# Altium PCB controller_V1.0.PcbDoc (part 7 of 8)
Units mm, origin at the board's own origin, x right, y up, seen from the top; angles counter-clockwise.
Board outline 284.13 x 175.13 mm, 4 copper layers (Top Layer, GND, VCC, Bottom Layer); 496 components, 415 nets, 1682 pads, 750 vias.
Unrouted connection lines stored in the file: 5.
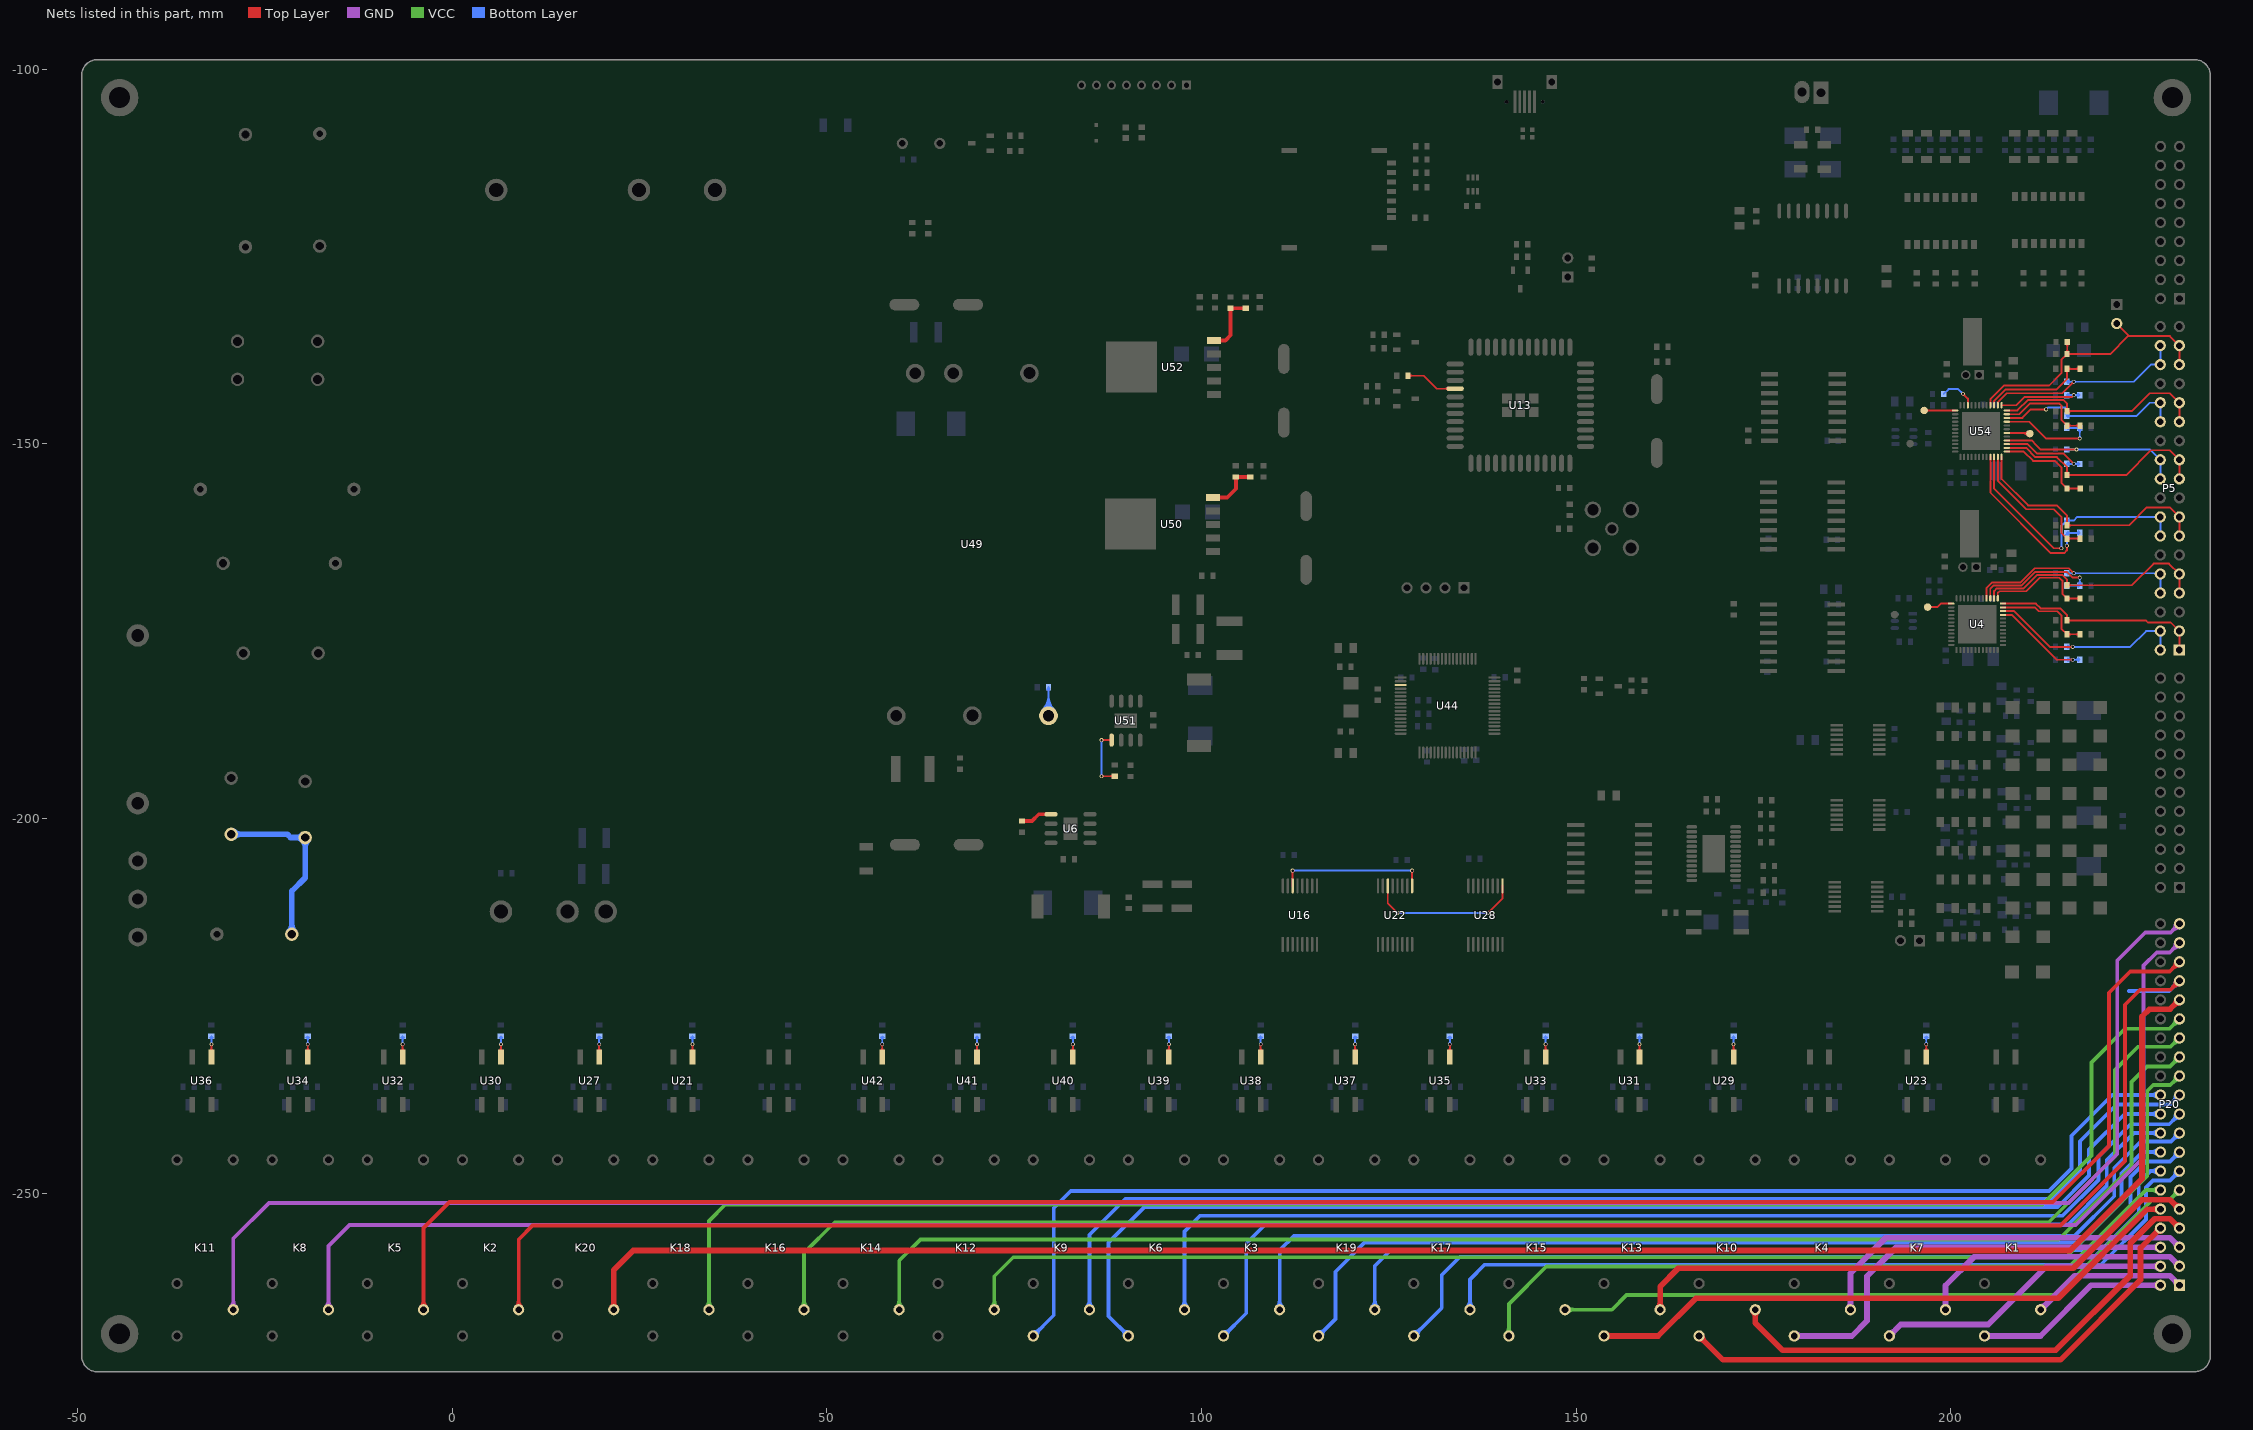
[diagram p9: the nets of this part, all layers, seen from the top]

## Via types
v1: diameter 0.508, hole 0.305, Top Layer to Bottom Layer, tented both sides, 596 vias
v2: diameter 1.016, hole 0.635, Top Layer to Bottom Layer, tented both sides, 65 vias
v3: diameter 0.6, hole 0.3, Top Layer to Bottom Layer, 50 vias
v4: diameter 0.762, hole 0.508, Top Layer to Bottom Layer, tented both sides, 29 vias
v5: diameter 2.032, hole 1.524, Top Layer to Bottom Layer, tented both sides, 4 vias
v6: diameter 3.048, hole 2.032, Top Layer to Bottom Layer, tented both sides, 3 vias
v7: diameter 1.5, hole 1, Top Layer to Bottom Layer, 2 vias
v8: diameter 2.54, hole 1.778, Top Layer to Bottom Layer, tented both sides, 1 vias

## Nets (pads, with @x,y where several pads share a name; then routed paths per layer and width w, separated by ;. In a path a pad name is that pad's centre, name@x,y a point inside that pad or via, vN(x,y) a via of type N, cw(c..) or ccw(c..) an arc to the next point about the centre after c; other vN are vias at no path point) (continued)
NetR128_1: R128.1 U21.1 | length 5.5
  Top Layer w0.254: U21.1@31.881,-231.037 ccw(c31.447,-230.603) 32.061,-230.603 ccw(c32.674,-230.603) U21.1@32.24,-231.037 ; v1@31.971,-230.214 cw(c31.754,-230.431) 32.061,-230.431 cw(c32.367,-230.431) v1@32.15,-230.214 ; U21.1@32.061,-231.851 v1(32.061,-230.124)
  Bottom Layer w0.254: R128.1@31.872,-229.24 cw(c31.416,-229.696) 32.061,-229.696 ; v1@31.971,-230.034 ccw(c31.754,-229.817) 32.061,-229.817 ccw(c32.367,-229.817) v1@32.15,-230.034 ; v1(32.061,-230.124) R128.1@32.061,-229.083 ; 32.061,-229.546 cw(c32.493,-229.546) R128.1@32.187,-229.24
NetR131_1: R131.1 U23.1 | length 5.5
  Top Layer w0.254: U23.1@196.566,-231.037 ccw(c196.132,-230.603) 196.745,-230.603 ccw(c197.359,-230.603) U23.1@196.925,-231.037 ; v1@196.656,-230.214 cw(c196.439,-230.431) 196.745,-230.431 cw(c197.052,-230.431) v1@196.835,-230.214 ; U23.1@196.745,-231.851 v1(196.745,-230.124)
  Bottom Layer w0.254: R131.1@196.588,-229.24 cw(c196.207,-229.621) 196.745,-229.621 cw(c197.284,-229.621) R131.1@196.903,-229.24 ; v1@196.656,-230.034 ccw(c196.439,-229.817) 196.745,-229.817 ccw(c197.052,-229.817) v1@196.835,-230.034 ; v1(196.745,-230.124) R131.1@196.745,-229.083
NetR132_1: R132.1 U27.1 | length 5.5
  Top Layer w0.254: U27.1@19.423,-231.037 ccw(c18.989,-230.603) 19.603,-230.603 ccw(c20.216,-230.603) U27.1@19.782,-231.037 ; v1@19.513,-230.214 cw(c19.296,-230.431) 19.603,-230.431 cw(c19.909,-230.431) v1@19.692,-230.214 ; U27.1@19.603,-231.851 v1(19.603,-230.124)
  Bottom Layer w0.254: R132.1@19.445,-229.24 cw(c19.064,-229.621) 19.603,-229.621 cw(c20.141,-229.621) R132.1@19.76,-229.24 ; v1@19.513,-230.034 ccw(c19.296,-229.817) 19.603,-229.817 ccw(c19.909,-229.817) v1@19.692,-230.034 ; v1(19.603,-230.124) R132.1@19.603,-229.083
NetR135_1: R135.1 U29.1 | length 5.5
  Top Layer w0.254: U29.1@170.852,-231.037 ccw(c170.418,-230.603) 171.031,-230.603 ccw(c171.644,-230.603) U29.1@171.211,-231.037 ; v1@170.941,-230.214 cw(c170.725,-230.431) 171.031,-230.431 cw(c171.338,-230.431) v1@171.121,-230.214 ; U29.1@171.031,-231.851 v1(171.031,-230.124)
  Bottom Layer w0.254: R135.1@170.874,-229.24 cw(c170.493,-229.621) 171.031,-229.621 cw(c171.57,-229.621) R135.1@171.189,-229.24 ; v1@170.941,-230.034 ccw(c170.725,-229.817) 171.031,-229.817 ccw(c171.338,-229.817) v1@171.121,-230.034 ; v1(171.031,-230.124) R135.1@171.031,-229.083
NetR136_1: R136.1 U30.1 | length 5.5
  Top Layer w0.254: U30.1@6.304,-231.037 ccw(c5.871,-230.603) 6.484,-230.603 ccw(c7.097,-230.603) U30.1@6.664,-231.037 ; v1@6.394,-230.214 cw(c6.177,-230.431) 6.484,-230.431 cw(c6.791,-230.431) v1@6.574,-230.214 ; U30.1@6.484,-231.851 v1(6.484,-230.124)
  Bottom Layer w0.254: R136.1@6.326,-229.24 cw(c5.946,-229.621) 6.484,-229.621 cw(c7.022,-229.621) R136.1@6.642,-229.24 ; v1@6.394,-230.034 ccw(c6.177,-229.817) 6.484,-229.817 ccw(c6.791,-229.817) v1@6.574,-230.034 ; v1(6.484,-230.124) R136.1@6.484,-229.083
NetR139_1: R139.1 U31.1 | length 5.5
  Top Layer w0.254: U31.1@158.29,-231.037 ccw(c157.856,-230.603) 158.47,-230.603 ccw(c159.083,-230.603) U31.1@158.649,-231.037 ; v1@158.38,-230.214 cw(c158.163,-230.431) 158.47,-230.431 cw(c158.776,-230.431) v1@158.559,-230.214 ; U31.1@158.47,-231.851 v1(158.47,-230.124)
  Bottom Layer w0.254: R139.1@158.312,-229.24 cw(c157.931,-229.621) 158.47,-229.621 cw(c159.008,-229.621) R139.1@158.627,-229.24 ; v1@158.38,-230.034 ccw(c158.163,-229.817) 158.47,-229.817 ccw(c158.776,-229.817) v1@158.559,-230.034 ; v1(158.47,-230.124) R139.1@158.47,-229.083
NetR140_1: R140.1 U32.1 | length 5.5
  Top Layer w0.254: U32.1@-6.812,-231.037 ccw(c-7.246,-230.603) -6.632,-230.603 ccw(c-6.019,-230.603) U32.1@-6.453,-231.037 ; v1@-6.722,-230.214 cw(c-6.939,-230.431) -6.632,-230.431 cw(c-6.326,-230.431) v1@-6.543,-230.214 ; U32.1@-6.632,-231.851 v1(-6.632,-230.124)
  Bottom Layer w0.254: R140.1@-6.79,-229.24 cw(c-7.171,-229.621) -6.632,-229.621 cw(c-6.094,-229.621) R140.1@-6.475,-229.24 ; v1@-6.722,-230.034 ccw(c-6.939,-229.817) -6.632,-229.817 ccw(c-6.326,-229.817) v1@-6.543,-230.034 ; v1(-6.632,-230.124) R140.1@-6.632,-229.083
NetR142_1: R142.1 U33.1 | length 5.5
  Top Layer w0.254: U33.1@145.761,-231.037 ccw(c145.327,-230.603) 145.941,-230.603 ccw(c146.554,-230.603) U33.1@146.12,-231.037 ; v1@145.851,-230.214 cw(c145.634,-230.431) 145.941,-230.431 cw(c146.247,-230.431) v1@146.03,-230.214 ; U33.1@145.941,-231.851 v1(145.941,-230.124)
  Bottom Layer w0.254: R142.1@145.783,-229.24 cw(c145.402,-229.621) 145.941,-229.621 cw(c146.479,-229.621) R142.1@146.098,-229.24 ; v1@145.851,-230.034 ccw(c145.634,-229.817) 145.941,-229.817 ccw(c146.247,-229.817) v1@146.03,-230.034 ; v1(145.941,-230.124) R142.1@145.941,-229.083
NetR144_1: R144.1 U34.1 | length 5.5
  Top Layer w0.254: U34.1@-19.475,-231.037 ccw(c-19.909,-230.603) -19.296,-230.603 ccw(c-18.682,-230.603) U34.1@-19.116,-231.037 ; v1@-19.385,-230.214 cw(c-19.602,-230.431) -19.296,-230.431 cw(c-18.989,-230.431) v1@-19.206,-230.214 ; U34.1@-19.296,-231.851 v1(-19.296,-230.124)
  Bottom Layer w0.254: R144.1@-19.453,-229.24 cw(c-19.834,-229.621) -19.296,-229.621 cw(c-18.757,-229.621) R144.1@-19.138,-229.24 ; v1@-19.385,-230.034 ccw(c-19.602,-229.817) -19.296,-229.817 ccw(c-18.989,-229.817) v1@-19.206,-230.034 ; v1(-19.296,-230.124) R144.1@-19.296,-229.083
NetR147_1: R147.1 U35.1 | length 5.5
  Top Layer w0.254: U35.1@132.968,-231.037 ccw(c132.534,-230.603) 133.147,-230.603 ccw(c133.76,-230.603) U35.1@133.327,-231.037 ; v1@133.057,-230.214 cw(c132.841,-230.431) 133.147,-230.431 cw(c133.454,-230.431) v1@133.237,-230.214 ; U35.1@133.147,-231.851 v1(133.147,-230.124)
  Bottom Layer w0.254: R147.1@132.989,-229.24 cw(c132.609,-229.621) 133.147,-229.621 cw(c133.686,-229.621) R147.1@133.305,-229.24 ; v1@133.057,-230.034 ccw(c132.841,-229.817) 133.147,-229.817 ccw(c133.454,-229.817) v1@133.237,-230.034 ; v1(133.147,-230.124) R147.1@133.147,-229.083
NetR148_1: R148.1 U36.1 | length 5.5
  Top Layer w0.254: U36.1@-32.339,-231.037 ccw(c-32.772,-230.603) -32.159,-230.603 ccw(c-31.546,-230.603) U36.1@-31.979,-231.037 ; v1@-32.249,-230.214 cw(c-32.466,-230.431) -32.159,-230.431 cw(c-31.852,-230.431) v1@-32.069,-230.214 ; U36.1@-32.159,-231.851 v1(-32.159,-230.124)
  Bottom Layer w0.254: R148.1@-32.317,-229.24 cw(c-32.697,-229.621) -32.159,-229.621 cw(c-31.621,-229.621) R148.1@-32.001,-229.24 ; v1@-32.249,-230.034 ccw(c-32.466,-229.817) -32.159,-229.817 ccw(c-31.852,-229.817) v1@-32.069,-230.034 ; v1(-32.159,-230.124) R148.1@-32.159,-229.083
NetR150_1: R150.1 U37.1 | length 5.5
  Top Layer w0.254: U37.1@120.332,-231.037 ccw(c119.898,-230.603) 120.511,-230.603 ccw(c121.125,-230.603) U37.1@120.691,-231.037 ; v1@120.422,-230.214 cw(c120.205,-230.431) 120.511,-230.431 cw(c120.818,-230.431) v1@120.601,-230.214 ; U37.1@120.511,-231.851 v1(120.511,-230.124)
  Bottom Layer w0.254: R150.1@120.354,-229.24 cw(c119.973,-229.621) 120.511,-229.621 cw(c121.05,-229.621) R150.1@120.669,-229.24 ; v1@120.422,-230.034 ccw(c120.205,-229.817) 120.511,-229.817 ccw(c120.818,-229.817) v1@120.601,-230.034 ; v1(120.511,-230.124) R150.1@120.511,-229.083
NetR152_1: R152.1 U38.1 | length 5.5
  Top Layer w0.254: U38.1@107.721,-231.037 ccw(c107.288,-230.603) 107.901,-230.603 ccw(c108.514,-230.603) U38.1@108.081,-231.037 ; v1@107.811,-230.214 cw(c107.594,-230.431) 107.901,-230.431 cw(c108.208,-230.431) v1@107.991,-230.214 ; U38.1@107.901,-231.851 v1(107.901,-230.124)
  Bottom Layer w0.254: R152.1@107.743,-229.24 cw(c107.363,-229.621) 107.901,-229.621 cw(c108.439,-229.621) R152.1@108.059,-229.24 ; v1@107.811,-230.034 ccw(c107.594,-229.817) 107.901,-229.817 ccw(c108.208,-229.817) v1@107.991,-230.034 ; v1(107.901,-230.124) R152.1@107.901,-229.083
NetR154_1: R154.1 U39.1 | length 5.5
  Top Layer w0.254: U39.1@95.466,-231.037 ccw(c95.033,-230.603) 95.646,-230.603 ccw(c96.259,-230.603) U39.1@95.826,-231.037 ; v1@95.556,-230.214 cw(c95.339,-230.431) 95.646,-230.431 cw(c95.953,-230.431) v1@95.736,-230.214 ; U39.1@95.646,-231.851 v1(95.646,-230.124)
  Bottom Layer w0.254: R154.1@95.488,-229.24 cw(c95.108,-229.621) 95.646,-229.621 cw(c96.184,-229.621) R154.1@95.804,-229.24 ; v1@95.556,-230.034 ccw(c95.339,-229.817) 95.646,-229.817 ccw(c95.953,-229.817) v1@95.736,-230.034 ; v1(95.646,-230.124) R154.1@95.646,-229.083
NetR156_1: R156.1 U40.1 | length 5.5
  Top Layer w0.254: U40.1@82.653,-231.037 ccw(c82.219,-230.603) 82.832,-230.603 ccw(c83.446,-230.603) U40.1@83.012,-231.037 ; v1@82.743,-230.214 cw(c82.526,-230.431) 82.832,-230.431 cw(c83.139,-230.431) v1@82.922,-230.214 ; U40.1@82.832,-231.851 v1(82.832,-230.124)
  Bottom Layer w0.254: R156.1@82.675,-229.24 cw(c82.294,-229.621) 82.832,-229.621 cw(c83.371,-229.621) R156.1@82.99,-229.24 ; v1@82.743,-230.034 ccw(c82.526,-229.817) 82.832,-229.817 ccw(c83.139,-229.817) v1@82.922,-230.034 ; v1(82.832,-230.124) R156.1@82.832,-229.083
NetR158_1: R158.1 U41.1 | length 5.5
  Top Layer w0.254: U41.1@69.865,-231.037 ccw(c69.431,-230.603) 70.044,-230.603 ccw(c70.657,-230.603) U41.1@70.224,-231.037 ; v1@69.954,-230.214 cw(c69.738,-230.431) 70.044,-230.431 cw(c70.351,-230.431) v1@70.134,-230.214 ; U41.1@70.044,-231.851 v1(70.044,-230.124)
  Bottom Layer w0.254: R158.1@69.887,-229.24 cw(c69.506,-229.621) 70.044,-229.621 cw(c70.583,-229.621) R158.1@70.202,-229.24 ; v1@69.954,-230.034 ccw(c69.738,-229.817) 70.044,-229.817 ccw(c70.351,-229.817) v1@70.134,-230.034 ; v1(70.044,-230.124) R158.1@70.044,-229.083
NetR160_1: R160.1 U42.1 | length 5.5
  Top Layer w0.254: U42.1@57.203,-231.037 ccw(c56.77,-230.603) 57.383,-230.603 ccw(c57.996,-230.603) U42.1@57.563,-231.037 ; v1@57.293,-230.214 cw(c57.076,-230.431) 57.383,-230.431 cw(c57.69,-230.431) v1@57.473,-230.214 ; U42.1@57.383,-231.851 v1(57.383,-230.124)
  Bottom Layer w0.254: R160.1@57.225,-229.24 cw(c56.845,-229.621) 57.383,-229.621 cw(c57.921,-229.621) R160.1@57.541,-229.24 ; v1@57.293,-230.034 ccw(c57.076,-229.817) 57.383,-229.817 ccw(c57.69,-229.817) v1@57.473,-230.034 ; v1(57.383,-230.124) R160.1@57.383,-229.083
NetR164_1: R164.1 U13.16 | length 8.6
  Top Layer w0.254: R164.1@127.582,-140.894 129.667,-140.894 131.404,-142.631 U13.16@133.868,-142.631 ; R164.1@127.739,-141.051 cw(c128.12,-141.432) 128.12,-140.894 cw(c128.12,-140.355) R164.1@127.739,-140.736 ; U13.16@132.903,-142.771 ccw(c132.565,-143.109) 132.565,-142.631 ccw(c132.565,-142.153) U13.16@132.903,-142.491
NetR173_1: R173.1 R176.2 R177.2 | length 31.6
  Bottom Layer w0.762: R173.1@-29.517,-202.108 -22.047,-202.108 -21.608,-202.547 R176.2@-19.637,-202.547 -19.637,-207.902 -21.422,-209.687 R177.2@-21.422,-215.443 ; R173.1@-29.15,-202.475 cw(c-28.264,-203.361) -28.264,-202.108 cw(c-28.264,-200.855) R173.1@-29.15,-201.741 ; R177.2@-21.789,-215.076 ccw(c-22.675,-214.19) -21.422,-214.19 ccw(c-20.169,-214.19) R177.2@-21.055,-215.076 ; R176.2@-20.004,-202.18 cw(c-20.89,-201.294) -20.89,-202.547 cw(c-20.89,-203.8) -20.004,-202.914 cw(c-20.89,-203.8) -19.637,-203.8 cw(c-18.384,-203.8) R176.2@-19.27,-202.914
NetR178_1: R178.1 U49.6 | length 14.5
  Bottom Layer w0.254: U49.6@78.782,-185.49 ccw(c76.864,-183.572) 79.576,-183.572 ccw(c82.287,-183.572) U49.6@80.37,-185.49 ; U49.6@78.961,-185.669 ccw(c77.478,-184.186) 79.576,-184.186 ccw(c81.674,-184.186) U49.6@80.19,-185.669 ; U49.6@79.141,-185.849 ccw(c78.091,-184.799) 79.576,-184.799 ccw(c81.06,-184.799) U49.6@80.01,-185.849 ; R178.1@79.418,-182.706 cw(c79.037,-183.087) 79.576,-183.087 cw(c80.114,-183.087) R178.1@79.733,-182.706 ; U49.6@79.576,-186.284 R178.1@79.576,-182.474
NetR179_1: R179.1 U6.5 | length 4.2
  Top Layer w0.508: R179.1@76.045,-200.33 77.391,-200.33 78.28,-199.441 U6.5@79.922,-199.441
NetR180_2: R180.2 R181.2 U50.5 | length 7.9
  Top Layer w0.508: U50.5@101.521,-157.138 103.438,-157.138 104.595,-155.981 R181.2@104.595,-154.407 R180.2@106.5,-154.407 ; U50.5@102.127,-157.294 cw(c102.505,-157.672) 102.505,-157.138 cw(c102.505,-156.604) U50.5@102.127,-156.982
NetR182_1: R182.1 U51.5 | length 11.4
  Top Layer w0.254: v1(86.668,-189.538) U51.5@88.008,-189.538 ; v1@86.672,-194.361 R182.1@88.434,-194.361 ; v1@86.758,-194.447 cw(c86.967,-194.656) 86.967,-194.361 ; v1@86.758,-194.268 ccw(c86.983,-194.043) 86.983,-194.361 ; v1@86.758,-189.628 cw(c86.975,-189.845) 86.975,-189.538 cw(c86.975,-189.232) v1@86.758,-189.448 ; U51.5@87.886,-189.661 ccw(c87.591,-189.956) 87.591,-189.538 ccw(c87.591,-189.121) U51.5@87.886,-189.416 ; R182.1@88.202,-194.518 ccw(c87.821,-194.899) 87.821,-194.361 ccw(c87.821,-193.822) R182.1@88.202,-194.203
  Bottom Layer w0.254: v1@86.578,-194.268 ccw(c86.362,-194.051) 86.668,-194.051 ccw(c86.975,-194.051) v1@86.758,-194.268 ; v1@86.578,-189.628 cw(c86.362,-189.845) 86.668,-189.845 cw(c86.975,-189.845) v1@86.758,-189.628 ; v1(86.668,-194.357) v1(86.668,-189.538)
NetR185_2: R185.2 R186.2 U52.5 | length 9
  Top Layer w0.508: U52.5@101.648,-136.183 103.184,-136.183 103.867,-135.5 R186.2@103.867,-131.878 105.89,-131.878 R185.2@105.915,-131.904 ; U52.5@102.254,-136.339 cw(c102.632,-136.717) 102.632,-136.183 cw(c102.632,-135.649) U52.5@102.254,-136.027
NetR190_2: R190.2 U54.10 | length 5.9
  Top Layer w0.254: v1@201.651,-143.434 cw(c201.651,-143.74) 201.867,-143.524 cw(c202.084,-143.307) v1@201.778,-143.307 ; v1(201.651,-143.307) 202.303,-143.959 U54.10@202.303,-144.835
  Bottom Layer w0.254: R190.2@199.076,-143.332 199.736,-142.672 201.016,-142.672 v1(201.651,-143.307) ; v1@201.524,-143.307 ccw(c201.217,-143.307) 201.434,-143.09 ccw(c201.651,-142.873) v1@201.651,-143.18
NetTP3_1: TP3.1 U54.42 | length 4.5
  Top Layer w0.254: U54.42@207.503,-148.535 210.509,-148.535 TP3.1@210.589,-148.615 ; 209.495,-148.535 cw(c209.495,-149.71) TP3.1@210.325,-148.879 ; 209.882,-148.535 ccw(c209.882,-147.909) TP3.1@210.325,-148.352
NetTP8_1: TP8.1 U54.13 | length 4.3
  Top Layer w0.254: TP8.1@196.367,-145.644 TP8.1@196.476,-145.535 U54.13@200.603,-145.535
NetTP18_1: TP18.1 U4.13 | length 3.3
  Top Layer w0.254: TP18.1@196.941,-171.78 198.222,-171.78 198.686,-171.316 U4.13@200.095,-171.316
NetU16_14: U16.14 U22.9 | length 21.9
  Top Layer w0.254: v1@112.079,-207.048 cw(c111.862,-207.265) 112.168,-207.265 cw(c112.475,-207.265) v1@112.258,-207.048 ; U16.14@112.168,-208.989 v1(112.168,-206.958) ; v1@128.029,-207.048 cw(c127.812,-207.265) 128.118,-207.265 cw(c128.425,-207.265) v1@128.208,-207.048 ; U22.9@128.118,-208.989 v1(128.118,-206.958)
  Bottom Layer w0.254: v1(112.168,-206.958) v1(128.118,-206.958) ; v1@112.258,-207.048 cw(c112.475,-207.265) 112.475,-206.958 cw(c112.475,-206.652) v1@112.258,-206.869 ; v1@128.029,-207.048 ccw(c127.812,-207.265) 127.812,-206.958 ccw(c127.812,-206.652) v1@128.029,-206.869
NetU22_14: U22.14 U28.9 | length 22.6
  Top Layer w0.254: U22.14@124.868,-208.989 124.868,-211.305 v1(126.162,-212.598) ; v1@126.035,-212.598 ccw(c125.728,-212.598) 125.945,-212.381 ccw(c126.162,-212.164) v1@126.162,-212.471 ; v1(138.252,-212.598) 140.183,-210.667 U28.9@140.183,-208.989 ; v1@138.252,-212.471 ccw(c138.252,-212.164) 138.469,-212.381 ccw(c138.686,-212.598) v1@138.379,-212.598
  Bottom Layer w0.254: v1(126.162,-212.598) v1(138.252,-212.598) ; v1@126.252,-212.688 cw(c126.468,-212.905) 126.468,-212.598 cw(c126.468,-212.291) v1@126.252,-212.508 ; v1@138.162,-212.688 ccw(c137.946,-212.905) 137.946,-212.598 ccw(c137.946,-212.291) v1@138.162,-212.508
PT100_A1: R192.1 R199.2 U54.3 | length 17.1
  Top Layer w0.254: U54.3@205.803,-144.835 205.803,-144.26 207.34,-142.723 214.147,-142.723 215.542,-141.328 R192.1@215.542,-139.979 R199.2@217.268,-139.979 ; R192.1@215.384,-140.212 cw(c215.003,-140.593) 215.542,-140.593 cw(c216.08,-140.593) R192.1@215.699,-140.212 ; R192.1@215.699,-140.137 cw(c216.08,-140.518) 216.08,-139.979 cw(c216.08,-139.441) R192.1@215.699,-139.822 ; R199.2@217.11,-140.137 ccw(c216.729,-140.518) 216.729,-139.979 ccw(c216.729,-139.441) R199.2@217.11,-139.822
PT100_A2: R204.1 R211.2 U54.47 | length 14.4
  Top Layer w0.254: U54.47@207.503,-146.035 209.184,-146.035 210.591,-144.628 214.528,-144.628 214.811,-144.91 214.811,-146.843 R204.1@215.542,-147.574 R211.2@217.268,-147.574 ; R204.1@215.699,-147.732 cw(c216.08,-148.112) 216.08,-147.574 cw(c216.08,-147.036) R204.1@215.699,-147.416 ; R211.2@217.11,-147.732 ccw(c216.729,-148.112) 216.729,-147.574 ccw(c216.729,-147.036) R211.2@217.11,-147.416
PT100_A3: R216.1 R223.2 U54.39 | length 14.9
  Top Layer w0.254: U54.39@207.503,-150.035 210.284,-150.035 210.972,-150.724 211.506,-151.257 215.036,-151.257 v1(216.433,-152.654) ; v1@216.306,-152.654 ccw(c216,-152.654) 216.217,-152.437 ccw(c216.433,-152.22) v1@216.433,-152.527
  Bottom Layer w0.254: R216.1@215.515,-152.654 v1(216.433,-152.654) R223.2@217.217,-152.654 ; R216.1@215.673,-152.812 cw(c216.053,-153.192) 216.053,-152.654 cw(c216.053,-152.116) R216.1@215.673,-152.496 ; v1@216.344,-152.744 ccw(c216.127,-152.961) 216.127,-152.654 ccw(c216.127,-152.347) v1@216.344,-152.564 ; v1@216.523,-152.744 cw(c216.74,-152.961) 216.74,-152.654 cw(c216.74,-152.347) v1@216.523,-152.564 ; v1@216.643,-152.654 cw(c216.643,-153.279) R223.2@217.085,-152.837 ; 216.765,-152.654 ccw(c216.765,-152.202) R223.2@217.085,-152.522
PT100_A4: R194.1 R200.2 U54.35 | length 20.3
  Top Layer w0.254: U54.35@206.303,-151.735 206.303,-154.944 210.083,-158.725 211.988,-158.725 213.766,-158.725 214.782,-159.741 214.782,-161.877 R194.1@215.542,-162.636 R200.2@217.268,-162.636 ; R194.1@215.699,-162.794 cw(c216.08,-163.175) 216.08,-162.636 cw(c216.08,-162.098) R194.1@215.699,-162.479 ; R200.2@217.11,-162.794 ccw(c216.729,-163.175) 216.729,-162.636 ccw(c216.729,-162.098) R200.2@217.11,-162.479
PT100_A5: R206.1 R212.2 U4.1 | length 16.4
  Top Layer w0.254: U4.1@206.295,-170.616 206.295,-169.894 206.527,-169.662 210.099,-169.662 211.892,-167.869 214.528,-167.869 214.909,-168.25 214.909,-170.005 R206.1@215.542,-170.637 R212.2@217.268,-170.637 ; R206.1@215.699,-170.795 cw(c216.08,-171.176) 216.08,-170.637 cw(c216.08,-170.099) R206.1@215.699,-170.48 ; R212.2@217.11,-170.795 ccw(c216.729,-171.176) 216.729,-170.637 ccw(c216.729,-170.099) R212.2@217.11,-170.48